# KiCad board XMS0004.kicad_pcb (continued)
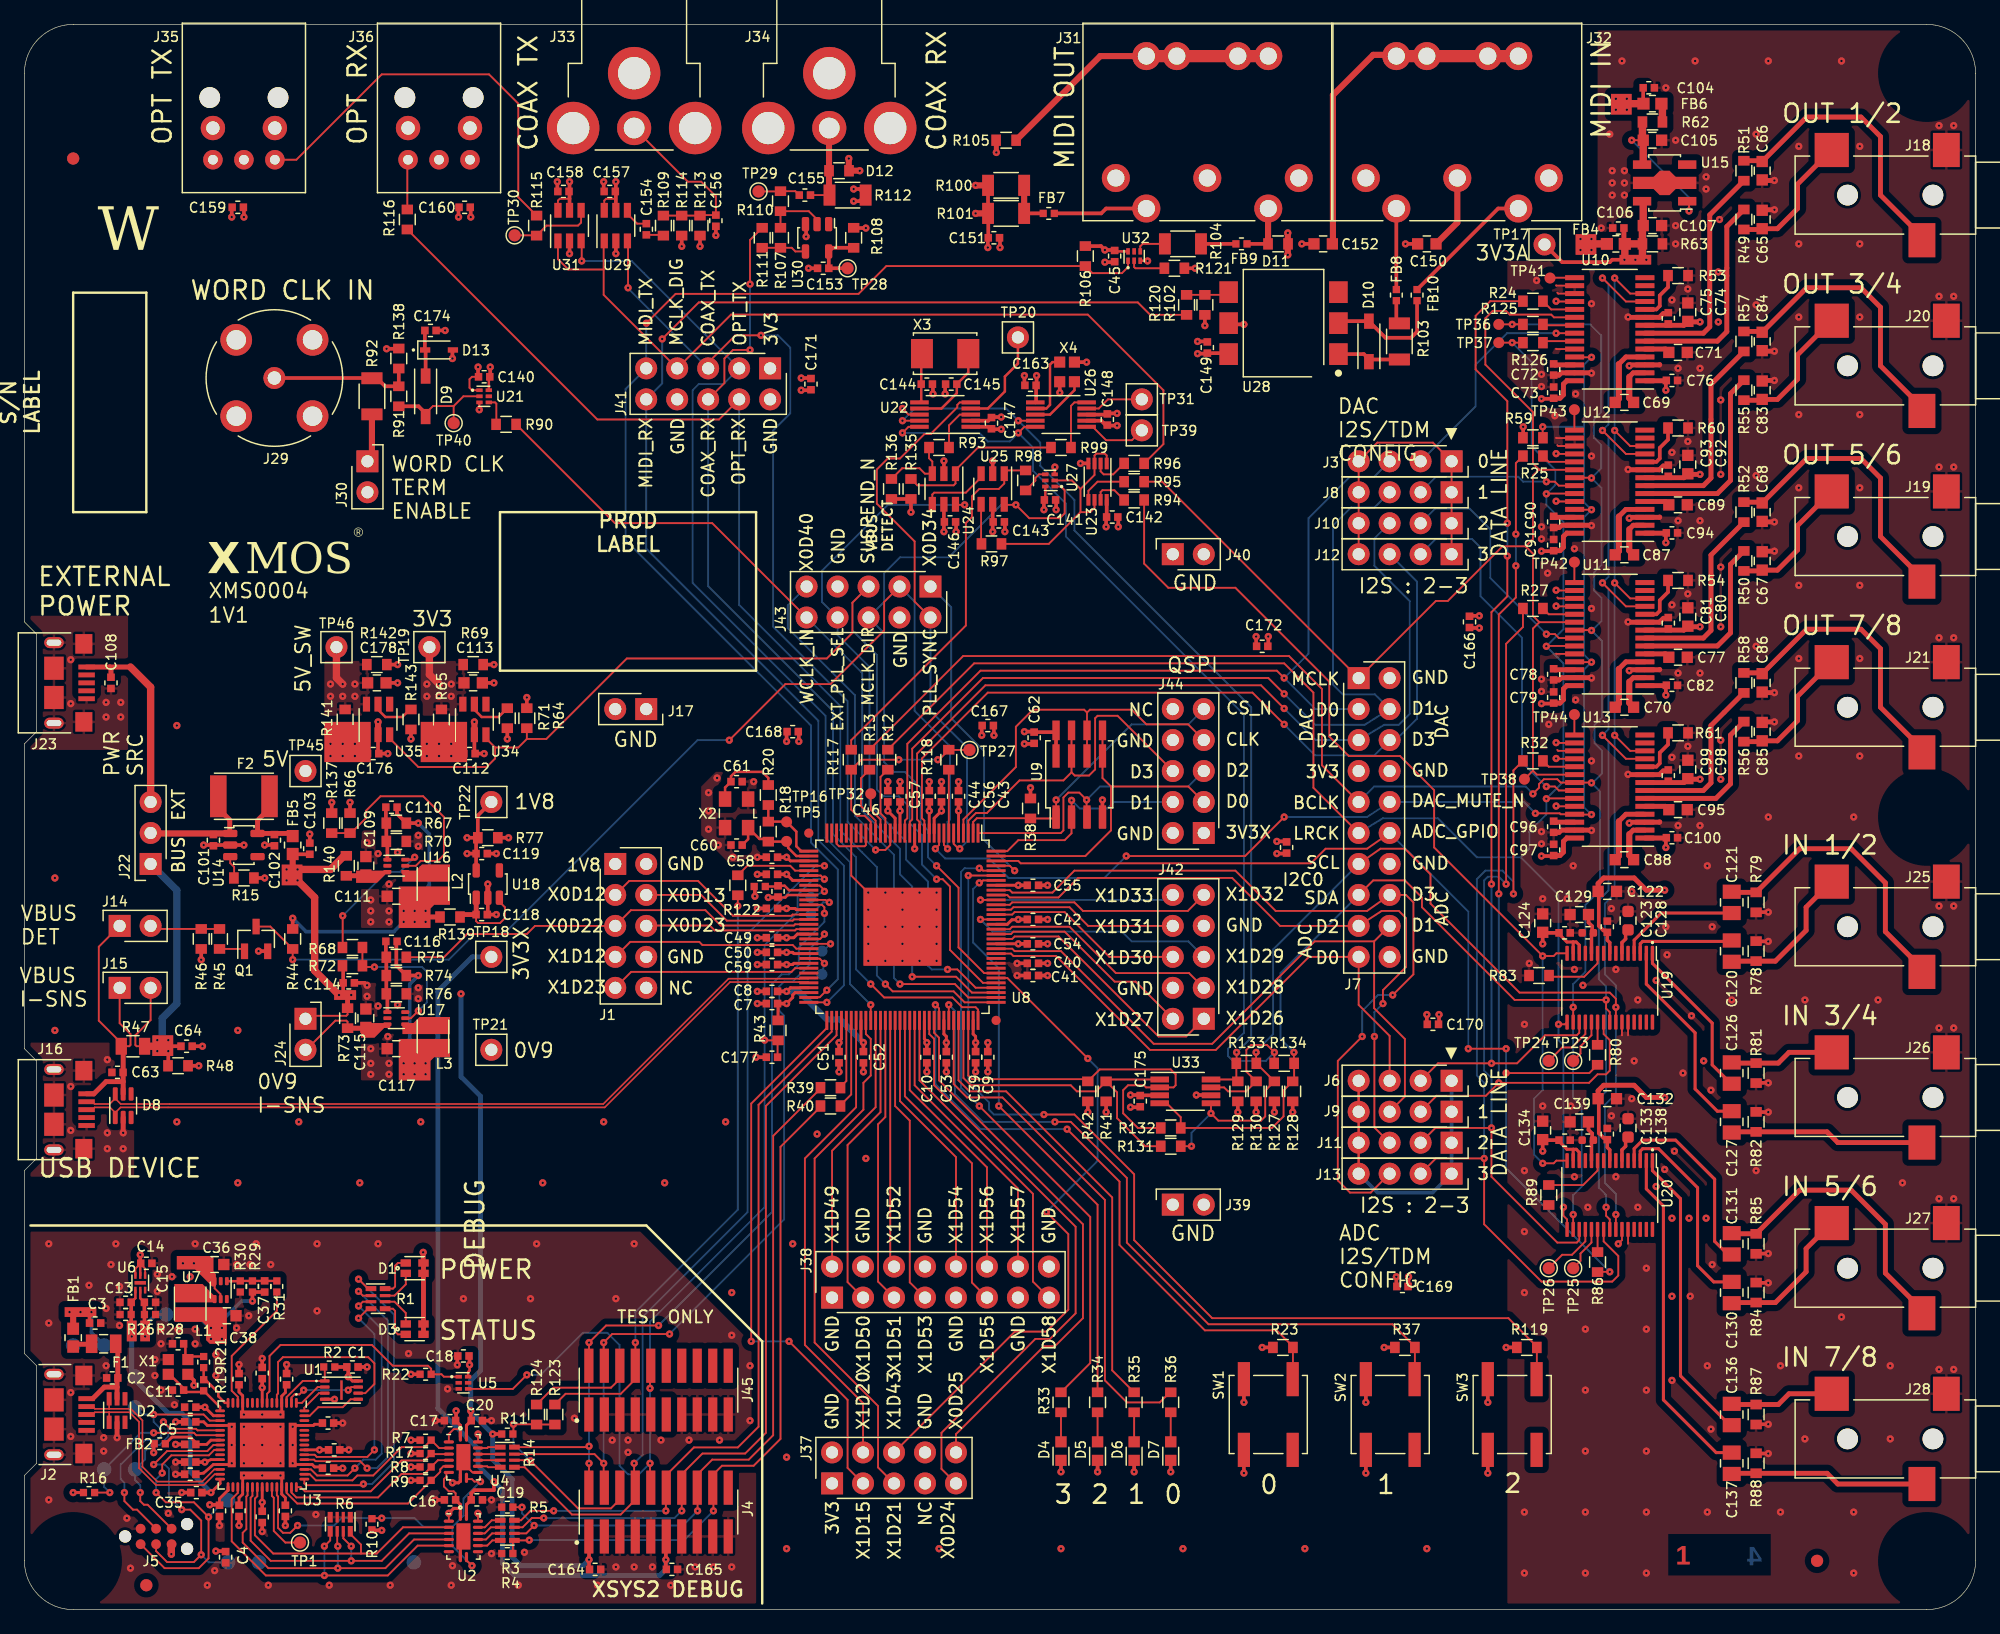
[diagram p0: board, top side]
## Routing (per net, layer and track width the routed paths; a pad name or vN(x,y) marks a point on that pad's centre or on a via; arc(x,y) is an arc through that point) (continued)
1V8: length 78.6
  Layer 1 (Top) w0.2: 36.6,15.54 C20.1
  Layer 1 (Top) w0.24: C7.1 61.8,49.66 R43.2 ; v1(62.5,61.7) 62.52,61.7 62.82,61.4 U8.35 ; v1(62.5,49.7) 63,50.2 63,50.4 63.2,50.6 U8.62 ; v1(62.5,52.9) 63,52.9 63.1,53 U8.56
  Layer 1 (Top) w0.25: C20.1 36.25,15.11 U4.16
  Layer 1 (Top) w0.3: R77.2 v1(36.3,63.3) ; R77.2 37.04,63.16 C119.1 ; R77.2 37.18,65.12 TP22.1 ; C58.1 v1(62.5,61.7) ; C59.1 v1(62.5,52.9) ; C119.1 37.04,60.63 ; C119.1 v1(36.3,62) ; J4.1 46.3,5.99 v1(46.3,4.1) 46.3,3.34 C164.1 ; 36.6,15.54 v1(36.6,16.3) ; C7.1 v1(62.5,49.7) ; v1(38.4,14.4) R11.2
  Layer 1 (Top) w0.4: 37.04,60.63 U18.5
  Layer 4 (Bottom) w0.4: v1(46.3,4.1) 45.8,3.6 40.7,3.6 40,4.3 40,10.7 38.4,12.3 v1(38.4,14.4) 36.6,16.2 v1(36.6,16.3) 36.6,18.8 37.4,19.6 37.4,42.1 35.8,43.7 v1(35.8,50.5)
1V8_DBG: length 40.6
  Layer 1 (Top) w0.15: U2.2 34.8,7.91 ; U4.2 34.8,14.41 35.2,14.8 35.75,14.8 ; U2.15 37.19,7.91 ; C16.1 35.36,9.54 35.2,9.7 34.8,9.7 34.4,10.1 34.4,10.7 34.6,10.9 34.6,11.2 34.65,11.25 U4.7 ; U4.15 37.2,13.76 v1(37.2,14.4)
  Layer 1 (Top) w0.2: U5.6 36.38,19.48 36.5,19.6 v1(36.5,20.07) ; U6.2 9.5,25.54 C15.1
  Layer 1 (Top) w0.23: 16,8.6 16,9.1 16.7,9.8 U3.31 ; U3.8 v1(19.5,18.2) ; v1(14.8,12.1) 15.3,12.3 U3.26 ; U3.17 15.5,15.9 v1(14.8,16.6) ; U3.52 v1(24.2,13.1) ; v1(19.5,8.8) U3.38
  Layer 1 (Top) w0.25: U1.8 26.9,18.75 v1(26.55,19.1) ; U2.1 35.75,8.3 ; 35.75,8.3 35.75,8.61 C16.1 35.4,9.04 ; 35.75,8.3 35.2,8.3 34.8,7.91 ; 35.4,15.54 C17.1 35.75,15.11 U4.1 ; v1(4,9.6) R16.2
  Layer 1 (Top) w0.27: C1.1 26.55,19.79
  Layer 1 (Top) w0.3: C4.1 16.46,4.8 v1(15.7,4.8) ; C31.1 v1(14.8,16.6) ; v1(15.2,8.6) 16,8.6 ; v1(26.55,19.1) 26.55,19.79 ; v1(31.7,13.9) R7.2 ; C18.1 36.5,20.76 v1(36.5,20.08) ; v1(9.9,23.3) 9.84,23.36 R28.2 9.84,24.21 C15.1 9.8,25.16 ; C33.1 v1(19.5,8.8) ; v1(31.7,11.7) R8.2 ; v1(29.3,6.5) 28.54,6.5 R10.2 ; v1(24.2,13.1) C30.1 ; v1(31.7,19.3) R22.2 ; C34.1 v1(14.8,12.1) ; 35.4,15.54 v1(35.4,16.3) ; v1(31.7,10.6) R9.2 ; v1(19.5,18.2) C29.1 ; R2.2 C1.1
  Layer 1 (Top) w0.6: v1(12.05,4.55) 12.05,5.35 J5.5
  Layer 4 (Bottom) w0.3: v1(9.9,23.3) 10.8,24.2 TP11.1
  vias: v1(9.9,22.4) v1(34.8,7.9) v1(37.19,7.9)
3V3: length 107.4
  Layer 1 (Top) w0.15: v1(125.6,90.9) 125.63,90.88 U12.24 ; v1(125.6,94.8) 125.63,94.78 U12.18 ; U11.18 125.63,82.28 v1(125.6,82.3) ; v1(125.6,107.3) 125.63,107.28 U10.18 ; U29.6 47.55,115.55 47.7,115.7 48.5,115.7 ; v1(125.6,69.8) 125.63,69.78 U13.18 ; U20.25 131,30.3 v1(130.7,30) ; U13.16 125.63,71.08 v1(125.6,71.1) ; U11.16 125.63,83.58 v1(125.6,83.6) ; v1(125.6,65.9) 125.63,65.88 U13.24 ; 44.7,115.7 43.9,115.7 43.75,115.55 U31.6
  Layer 1 (Top) w0.2: 38.16,101.2 38.09,101.13 U21.6 ; U27.6 83.72,91.08 C141.1 83.6,90.96 ; U32.6 89.38,111.39 89.3,111.46 ; C140.1 38.2,101.14
  Layer 1 (Top) w0.25: 127,54.75 127.25,54.75 127.5,54.5 U19.13 ; 127,54.75 126.49,54.75 125.74,55.5 ; 127,54.75 U19.14 ; 127,37.75 127.25,37.75 127.5,37.5 U20.13 ; 127,37.75 126.49,37.75 125.74,38.5 125.74,38.32 ; 127,37.75 U20.14
  Layer 1 (Top) w0.3: U33.3 91.49,42.18 91.46,42.2 v1(90.7,42.2) ; U22.1 79.06,97 79.26,96.8 C147.1 79.34,96.8 v1(80.1,96.8) ; 79.4,89.22 U25.5 79.4,90.94 ; v1(101.5,21.5) R23.2 ; v1(102.7,63) 103.46,63 ; v1(124.4,99.3) 125.36,99.3 C73.1 ; 38.2,101.14 v1(38.2,101.9) ; 126.48,63.28 U13.28 ; v1(83.6,90.2) 83.6,90.96 ; 126.48,100.78 U10.28 ; 125.74,38.5 124.55,38.5 C134.1 v1(124.5,37.6) ; v1(79,111.7) 79,112.46 ; v1(102.5,40.8) R127.2 ; U23.8 88.75,89.61 C142.1 88.7,89.56 v1(88.7,88.8) ; 102,79.04 v1(102,79.8) ; C151.1 79.04,114.48 R101.2 R100.2 ; U26.7 88.3,97.5 88.66,97.14 C148.1 88.84,97.1 v1(89.6,97.1) ; 118.54,80.5 v1(119.3,80.5) ; v1(124.4,86.8) 125.36,86.8 C91.1 ; 113.5,26.54 v1(113.5,27.3) ; v1(83,101.2) 83,100.44 C163.1 82.96,99.07 U26.1 ; v1(63.5,71.2) 63.5,71.96 ; R106.2 88.28,111.82 v1(88.6,111.5) 89.36,111.5 ; v1(121.5,21.5) R119.2 ; v1(124.4,61.8) 125.36,61.8 C97.1 ; R108.1 68.02,113.3 v1(69,113.3) ; U31.5 44.7,116.26 C158.1 ; v1(18,114.2) 18,114.96 ; v1(79.4,88.4) 79.4,89.16 C143.1 79.4,89.24 ; R59.2 122.9,96.12 v1(122.9,97) ; 125.74,55.5 124.55,55.5 C124.1 v1(124.5,54.6) ; v1(111.5,21.5) R37.2 ; 75.4,90.94 U24.5 75.4,89.24 C146.1 75.4,89.16 v1(75.4,88.4) ; 126.48,88.28 U12.28 ; C79.1 125.36,74.3 v1(124.4,74.3) ; v1(96.8,105.3) R102.2 ; 44.7,116.34 v1(44.7,117.1) ; v1(104,40.8) R128.2 ; v1(48.5,117.1) U29.5 ; v1(87.2,40.8) R42.2 ; v1(78.5,71.7) 78.5,72.46 ; v1(88.7,40.8) R41.2 ; v1(101,40.8) R130.2 ; v1(63.7,100) 64.46,100 ; v1(36.6,114.2) 36.6,114.96 ; v1(96.2,103) 96.96,103 C149.1 98.67,103.04 U28.6 ; 126.48,75.78 U11.28 ; 116,48.04 v1(116,48.8) ; v1(99.5,40.8) R129.2
  Layer 1 (Top) w0.4: 126.48,75.78 126.2,75.5 126.2,74.62 125.92,74.34 C79.1 ; C91.1 125.92,86.84 126.2,87.12 126.2,88 126.48,88.28 ; 126.48,63.28 126.2,63 126.2,62.12 125.92,61.84 C97.1 ; 126.48,100.78 126.2,100.5 126.2,99.62 125.92,99.34 C73.1
  Layer 1 (Top) w0.5: v1(78,116.8) R100.2 ; R65.2 34.23,73.85 ; v1(78,114.5) R101.2
  Layer 1 (Top) w0.6: 128.2,112 FB4.2 ; v1(34,75.9) 33.21,76.69 TP19.1
  vias: v1(33,75.9) v1(33,74.9) v1(34,74.9) v1(35,75.9) v1(35,74.9) v1(127.6,112.4) v1(127.6,111.5) v1(128.5,112.4) v1(128.5,111.5)
3V3_DBG: length 27.8
  Layer 1 (Top) w0.2: U6.1 9.1,25.54 C13.1
  Layer 1 (Top) w0.23: U3.30 16.05,10.35 v1(15.3,9.6)
  Layer 1 (Top) w0.3: 8.8,25.16 C13.1 8.76,24.21 R26.2 8.75,23.35 v1(8.8,23.3) ; C35.1 v1(15.3,9.6)
  Layer 1 (Top) w0.4: D3.1 D3.2 D1.1 D1.2 32.7,28.45 v1(32.7,29.3)
  Layer 4 (Bottom) w0.3: 8.8,19.4 TP9.1
  Layer 4 (Bottom) w0.4: v1(15.3,9.6) 13.6,11.3 13.6,15.4 12.9,16.1 11.8,16.1 9.08,18.82 ; 8.8,19.4 v1(8.8,22.4)
3V3A: length 68.9
  Layer 1 (Top) w0.28: U20.8 130,37.7 129.8,37.9 129.8,38.6 ; U19.8 130,54.7 129.8,54.9 C123.1 129.8,55.6
  Layer 1 (Top) w0.3: 134.52,63.28 134.54,63.3 ; 129.1,41.7 129.1,39.08 129.48,38.7 129.65,38.7 129.77,38.57 ; v1(134.6,62.5) 134.6,63.26 134.62,63.28 ; 134.62,100.78 134.6,100.76 v1(134.6,100) ; 129.1,58.7 129.1,56.08 129.48,55.7 129.65,55.7 129.77,55.57 ; 134.52,100.78 134.54,100.8 ; 134.52,75.78 134.54,75.8 ; TP17.1 126.1,110.5 130,110.5 130.2,110.7 v1(131.2,110.7) ; 134.62,88.28 134.6,88.26 v1(134.6,87.5) ; 134.52,88.28 134.54,88.3 ; v1(134.6,75) 134.6,75.76 134.62,75.78
  Layer 1 (Top) w0.4: v1(134.5,59) 133,59 132,60 129.5,60 129.05,59.55 C122.1 ; C132.1 129.05,42.55 129.5,43 132,43 133,42 v1(134.5,42) ; v1(137.4,93.1) 136.45,93.1 C92.1 136.08,92.83 U12.8 ; U10.1 134.52,100.78 ; C106.1 131.16,112.08 FB4.1 ; U13.8 136.08,67.83 C98.1 136.45,68.1 v1(137.4,68.1) ; U11.1 134.52,75.78 ; U13.1 134.52,63.28 ; U10.8 136.08,105.33 C74.1 136.45,105.6 v1(137.4,105.6) ; v1(137.4,80.6) 136.45,80.6 C80.1 136.08,80.33 U11.8 ; U12.1 134.52,88.28
  Layer 1 (Top) w0.6: R63.2 132.68,113.44 C107.1 132.75,115.4 132.85,115.5 ; R63.2 132.68,110.78 132.6,110.7 ; R63.2 FB4.1 131.24,110.74 v1(131.2,110.7)
  vias: v1(132.1,110.7) v1(133,110.7)
3V3X: length 132.1
  Layer 1 (Top) w0.2: 36.6,9.04 C19.1
  Layer 1 (Top) w0.24: v1(75.2,65.5) 74.6,64.9 U8.10 ; U8.109 v1(81.5,54.6) ; U8.72 68.6,46.7 v1(68.8,46.5) ; U8.17 v1(71.8,65.5) ; U8.61 62.82,51 62.52,50.7 v1(62.5,50.7) ; U8.121 81.47,59.4 ; 84.45,71.96 U9.8 ; U8.89 75.4,47.2 75.6,47 v1(75.6,46.5)
  Layer 1 (Top) w0.25: C19.1 36.25,8.61 U2.16
  Layer 1 (Top) w0.3: C165.1 52.6,3.34 v1(52.6,4.1) 52.6,5.97 J4.11 ; R44.2 v1(22,56.7) ; v1(71.8,65.5) C57.1 ; v1(82,72) 82.76,72 ; v1(32.3,64.5) R67.2 30.56,65.26 C110.1 ; C19.1 36.64,9.54 36.9,9.8 38.5,9.8 v1(38.5,10.5) ; C8.1 v1(62.5,50.7) ; v1(75.2,65.5) C56.1 ; R38.2 v1(82.5,67.4) ; C62.1 84.45,71.96 ; C52.1 v1(68.8,46.5) ; v1(81.5,54.6) C54.1 ; C53.1 v1(75.6,46.5) ; U9#2.8 U9.8 ; v1(81.5,59.4) C55.1
  Layer 1 (Top) w0.4: 32.8,56.8 R139.1
  Layer 4 (Bottom) w0.3: v1(31.1,56.4) 30.3,55.6 23.1,55.6 v1(22,56.7) ; v1(32.3,64.5) 33.2,63.6 33.2,59.4 v1(31.1,57.3)
  Layer 4 (Bottom) w0.4: TP18.1 36.73,53.53 33.9,50.7 33.9,16.5 37.2,13.2 37.2,11.8 v1(38.5,10.5) 39.2,9.8 39.2,3.8 40.2,2.8 52.1,2.8 52.6,3.3 v1(52.6,4.1)
  Layer 4 (Bottom) w0.5: v1(62.5,50.7) 63.5,50.7 65.8,48.4 66.9,48.4 v1(68.8,46.5)
  vias: v1(32,57.3) v1(32,56.4) v1(32.9,57.3) v1(32.9,56.4) v1(33,71) v1(33,70) v1(34,71) v1(34,70) v1(35,71) v1(35,70)
5V: length 27.4
  Layer 1 (Top) w0.15: R73.1 26.5,48.8 26.4,48.7 23.3,48.7 J24.1
  Layer 1 (Top) w0.3: FB5.2 22.03,61.94 C103.1 ; R66.2 v1(26.7,66.2) ; 26.18,52.8 26.14,52.76 C114.1 26.14,50.54 26.1,50.5 26.7,50.5 v1(26.8,50.4)
  Layer 1 (Top) w0.4: R73.1 26.5,50.3
  Layer 1 (Top) w0.5: 22,60.3 FB5.2
  Layer 1 (Top) w0.6: v1(25.8,50.4) 23.8,52.4 23.8,58.4 v1(22.4,59.8) ; v1(22.4,60.7) 25.1,60.7 26.22,61.82 R140.2
  vias: v1(21.5,60.7) v1(21.5,59.8) v1(25.1,71) v1(25.1,70) v1(26.1,71) v1(26.1,70) v1(27.1,71) v1(27.1,70)
5V_DBG: length 11.4
  Layer 1 (Top) w0.15: U7.3 15.6,26.35 16.08,25.88 16.08,25.49 U7.5 ; 9.5,28.36 9.9,27.96 U6.4 ; 9.5,28.36 C14.1 ; 9.5,28.36 9.1,27.96 U6.6
  Layer 1 (Top) w0.2: U6.5 9.5,28.36
  Layer 1 (Top) w0.3: 5.34,23.4 C3.1 5.34,24.16 5.1,24.4 ; v1(9.5,29.1) 9.5,28.44 9.46,28.4 9.5,28.36
  Layer 1 (Top) w0.5: 4.1,24.4 4,24.3 FB1.2
  Layer 4 (Bottom) w0.3: v1(5.5,24.4) 5.5,22.7 TP10.1
  vias: v1(3.7,24.4) v1(4.6,24.4) v1(13,28.4) v1(13.9,28.4)
5V_SW: length 6.1
  Layer 1 (Top) w0.3: FB6.1 132.74,123.53 C104.1
  Layer 1 (Top) w0.5: R141.2 26.33,73.85
  Layer 1 (Top) w0.6: TP46.1 25.59,76.41 v1(26.1,75.9) ; 131.3,123.5 FB6.1
  vias: v1(25.1,75.9) v1(25.1,74.9) v1(26.1,74.9) v1(27.1,75.9) v1(27.1,74.9) v1(130.5,123.9) v1(130.5,123) v1(131.4,123.9) v1(131.4,123)
GND: length 231.5
  Layer 1 (Top) w0.15: 125.7,95.5 125.78,95.43 U12.17 ; U21.1 36.7,100 36.5,100.2 36.5,100.9 36.7,101.1 C140.2 ; 125.6,103.4 125.63,103.38 U10.24 ; 67.8,62.6 67.8,60.2 v1(69.2,58.8) ; 67.85,62.6 68.9,62.6 69,62.7 U8.24 ; 67.85,62.6 66.8,62.6 66.6,62.8 U8.30 ; 67.85,62.6 67.8,62.65 U8.27 ; 125.7,70.5 125.78,70.43 U13.17 ; 131.5,30 U20.26 ; v1(72,98.5) 72.5,98 U22.8 ; U11.17 125.78,82.93 125.7,83 ; U10.16 125.63,108.58 125.6,108.6 ; 36,12 36.75,11.25 U4.10 ; U12.16 125.63,96.08 125.6,96.1 ; U10.17 125.78,107.93 125.7,108 ; 131,47.1 U19.25 ; 131.5,47.1 U19.26 ; U11.24 125.63,78.38 125.6,78.4
  Layer 1 (Top) w0.2: U8.42 62.6,58.6 62.4,58.4 61.84,58.4 C6.2 ; U32.3 92.09,110.62 v1(92.1,110.6) ; 34.4,15.54 C17.2 ; v1(84.5,93.7) 84.49,93.69 U27.3 ; v1(37.3,98.4) 37.3,98.99 U21.3 ; 34.4,9.04 C16.2
  Layer 1 (Top) w0.25: C123.2 129.81,56.46 ; v1(35.1,10.4) 35.6,10.4 35.75,10.55 U4.8 35.75,12.5 ; U2.17 35.75,6 U2.8 35.75,4.05 ; U1.4 v1(25.42,17.25) ; C133.2 129.81,39.46
  Layer 1 (Top) w0.3: C146.2 76.4,89.16 v1(76.4,88.4) ; 82.1,100.34 C163.2 82,100.44 v1(82,101.2) ; 79.4,92.87 v1(79.4,94.2) ; v1(104.75,112) C152.2 ; 38.72,63.3 v1(39.7,63.3) ; D13.2 35.1,103.26 v1(35.1,102.6) ; 34.4,9.04 34.36,9 v1(33.7,9) ; v1(100,17) SW1.2A ; U18.2 38,57.04 C118.2 v1(38.7,57) ; C55.2 v1(83.9,59.4) ; U30.3 64.1,113.57 v1(64.1,112.6) ; v1(19.2,54) 19.94,54 Q1.2 ; C46.2 v1(70.8,67.9) ; v1(113.25,112) C150.2 ; v1(91,11.3) D6.1 ; v1(17,114.2) 17,114.96 ; v1(68,116.5) 68.48,116.5 R112.1 68.48,115.5 v1(68,115.5) ; C6.2 61.76,58.4 61,58.4 v1(61,58.4) ; C20.2 37.6,15.54 37.64,15.5 v1(38.3,15.5) ; 34.4,15.54 34.36,15.5 v1(33.7,15.5) ; v1(60.1,50.7) C8.2 ; 75.4,92.87 v1(75.4,94.2) ; 130.2,113.34 C106.2 ; v1(84.9,99.8) 84.9,100.69 X4.2 ; v1(62.5,71.2) 62.5,71.96 ; v1(120,11.2) SW3.2B ; v1(16,6.9) 16,7.56 15.96,7.6 C32.2 ; 132.83,102.08 132.86,102.05 U10.3 ; v1(35.6,114.2) 35.6,114.96 ; v1(12.4,12.1) C34.2 ; v1(87.1,102.3) 86.11,102.3 X4.4 ; v1(31.7,71.4) 31.7,72.28 ; C18.2 35.5,20.76 v1(35.5,20.08) ; v1(14.7,62.7) U14.2 v1(18,62.7) ; C174.2 v1(34.5,104.9) ; 37.64,9 37.6,9.04 C19.2 ; C43.2 v1(76.6,67.9) ; 132.83,77.08 132.86,77.05 U11.3 ; C29.2 v1(19.5,20.6) ; v1(53.9,111.8) R114.1 ; v1(12.9,9.6) 13.56,9.6 13.6,9.56 C35.2 ; v1(143,29.2) 142.02,29.2 R85.1 ; 16.1,28.05 C36.2 ; v1(60.1,61.7) C58.2 ; v1(89.7,88.8) 89.7,89.56 C142.2 ; v1(13.9,18.4) 13.9,18.8 X1.2 ; v1(60.1,53.9) C50.2 ; U34.2 36.9,70.26 C112.2 v1(37.7,70.2) ; v1(143,43.2) 142.02,43.2 R81.1 ; R79.1 142.02,57.2 v1(143,57.2) ; v1(31.7,12.8) R17.1 ; C1.2 27.3,19.96 27.34,20 27.44,19.9 v1(28.1,19.9) ; v1(94,11.3) D7.1 ; v1(79,44.1) C9.2 ; 118.54,81.5 v1(119.3,81.5) ; v1(100,11.2) SW1.2B ; v1(60.1,52.9) C59.2 ; C103.2 v1(23.4,63.6) ; C44.2 v1(74.2,67.9) ; v1(102.7,62) 103.46,62 ; C149.2 96.96,104 v1(96.2,104) ; R138.1 30.68,103.4 v1(29.7,103.4) ; v1(143,15.2) 142.02,15.2 R87.1 ; v1(63.7,101) 64.46,101 ; v1(90.7,41.2) 91.46,41.2 ; v1(78,44.1) C39.2 ; C178.2 v1(30.6,76) ; v1(68.8,44.1) C52.2 ; 142.02,40.8 v1(143,40.8) ; C114.2 27.9,51.4 v1(28.1,51.2) ; R69.1 v1(38.5,77.5) ; C144.2 74.5,100.46 v1(74.5,99.7) ; 47.5,116.34 v1(47.5,117.1) ; U22.2 79.04,97.5 C147.2 79.34,97.8 v1(80.1,97.8) ; v1(88.6,110.5) 89.36,110.5 ; 43.7,116.34 v1(43.7,117.1) ; v1(19.5,6.4) C33.2 ; 115,48.04 v1(115,48.8) ; R48.1 v1(14.3,44.6) ; C141.2 84.6,90.96 v1(84.6,90.2) ; v1(88.4,66.4) 88.4,64.9 U9.4 ; v1(100,105.4) 98.85,105.4 U28.5 ; v1(14.5,53.3) R46.1 ; v1(44.7,111.2) 44.7,112.54 ; v1(19.7,62.7) 20.44,62.7 C102.2 ; 142.02,26.8 v1(143,26.8) ; v1(80,111.7) 80,112.46 ; C26.2 v1(26.1,15.3) ; v1(55.4,111.8) R113.1 ; 112.5,26.54 v1(112.5,27.3) ; R142.1 v1(30.6,77.5) ; v1(56.7,112.7) C156.2 ; v1(80.4,88.4) 80.4,89.16 C143.2 ; 142.02,54.8 v1(143,54.8) ; R64.1 v1(41.2,74.8) ; v1(60.1,55.1) C49.2 ; v1(79.5,71.7) 79.5,72.46 ; v1(12.4,15.4) C27.2 ; U33.6 97.28,42.2 v1(96.1,42.2) ; v1(82,71) 82.76,71 ; v1(120,17) SW3.2A ; U35.2 29,70.26 C176.2 v1(29.8,70.2) ; v1(21.4,6.9) C28.2 ; C145.2 75.5,100.46 v1(75.5,99.7) ; v1(60.1,57.5) C48.2 ; v1(17.6,6.9) C25.2 ; R15.1 v1(19.7,60) ; v1(48.5,111.2) 48.5,112.54 ; 39,8.4 R5.1 ; v1(12.4,11.1) C21.2 ; v1(66.8,44.1) C51.2 ; v1(85,11.3) D4.1 ; v1(12.4,13.55) C5.2 ; v1(39.6,71.4) R71.1 ; v1(60.1,49.7) C7.2 ; 37.2,101.14 v1(37.2,101.9) ; v1(110,17) SW2.2A ; v1(64.3,110) C153.2 ; v1(86.6,94) 87.24,94 U23.4 ; C119.2 v1(38.7,62) ; C54.2 v1(83.9,54.6) ; C42.2 v1(83.9,56.6) ; 101,79.04 v1(101,79.8) ; v1(75.6,44.1) C53.2 ; R121.1 v1(96,110) ; C22.2 v1(21.5,20.1) ; C113.2 v1(38.5,76) ; C24.2 v1(17.6,20.1) ; v1(74,44.1) C10.2 ; R137.1 v1(25.2,66.2) ; v1(60.1,60.3) C47.2 ; C40.2 v1(83.9,53) ; U12.3 132.86,89.55 132.83,89.58 ; v1(88,11.3) D5.1 ; C57.2 v1(71.8,67.9) ; 132.83,64.58 132.86,64.55 U13.3 ; C41.2 v1(83.9,52) ; v1(72.7,90) R135.1 R136.1 ; v1(110,11.2) SW2.2B ; C23.2 v1(26.1,11.6) ; C64.2 v1(14.6,46.2) ; v1(89.6,98.1) 88.84,98.1 C148.2 88.74,98 U26.8 ; v1(60,45.3) C177.2 ; C30.2 v1(26.6,13.1) ; C56.2 v1(75.2,67.9) ; 142.02,12.8 v1(143,12.8)
  Layer 1 (Top) w0.4: 134.1,77.1 134.08,77.08 U11.3 ; v1(131.6,89.5) 131.68,89.58 132.83,89.58 ; 128.4,101.4 128.38,101.43 U10.27 126.03,101.43 125.84,101.24 C72.2 ; v1(79.7,119.5) 79.7,120.46 79.75,120.5 ; C86.2 142.55,75.2 v1(143.5,75.2) ; 128.4,63.9 128.38,63.93 U13.27 126.03,63.93 125.84,63.74 C96.2 ; 134.1,89.6 134.08,89.58 U12.3 ; v1(143.5,89.2) 142.55,89.2 C68.2 ; v1(143.5,117.2) 142.55,117.2 C66.2 ; v1(143.5,100.8) 142.55,100.8 C83.2 ; 132.83,64.58 131.68,64.58 v1(131.6,64.5) ; v1(143.5,114.8) 142.55,114.8 C65.2 ; v1(131.5,68.5) 131.53,68.48 U13.9 134.08,68.48 134.4,68.8 ; U13.3 134.08,64.58 134.1,64.6 ; v1(7.6,14.1) D2.2 ; v1(8.1,39.1) D8.2 ; C85.2 142.55,72.8 v1(143.5,72.8) ; C67.2 142.55,86.8 v1(143.5,86.8) ; 134.4,93.8 134.08,93.48 U12.9 131.53,93.48 v1(131.5,93.5) ; 128.4,76.4 128.38,76.43 U11.27 126.03,76.43 125.84,76.24 C78.2 ; U10.3 134.08,102.08 134.1,102.1 ; v1(131.5,81) 131.53,80.98 U11.9 134.08,80.98 134.4,81.3 ; U18.2 v1(38,59.5) ; 132.83,77.08 131.68,77.08 v1(131.6,77) ; C84.2 142.55,103.2 v1(143.5,103.2) ; C90.2 125.84,88.74 126.03,88.93 U12.27 128.38,88.93 128.4,88.9 ; 134.4,106.3 134.08,105.98 U10.9 131.53,105.98 v1(131.5,106) ; 132.83,102.08 131.68,102.08 v1(131.6,102)
  Layer 1 (Top) w0.5: v1(68.5,118) D12.1 67.6,118.02 v1(67.6,119) ; U35.2 v1(29,72.8) ; D11.1 103.6,112.02 v1(103.6,112.9) ; v1(103.6,111.1) 103.6,111.98 ; U34.2 v1(36.9,72.8)
  Layer 4 (Bottom) w0.3: 69.18,53.18 v1(69.2,53.2)
  vias: v1(2,30) v1(2,23.5) v1(2,9) v1(2.5,60) v1(2.5,47.5) v1(3.8,77.9) v1(3.8,74.3) v1(3.8,42.9) v1(3.8,39.3) v1(3.8,17.8) v1(3.8,14.2) v1(5.3,26.6) v1(6.5,14.1) v1(6.5,13) v1(6.7,74.4) v1(6.7,73.2) v1(6.7,24.7) v1(6.7,20) v1(6.8,45.1) v1(6.8,39.1) v1(6.8,37.8) v1(7.1,28.3) v1(7.5,30) v1(7.8,26.5) v1(7.8,23.3) v1(7.9,74.4) v1(7.9,73.2) v1(8.1,37.8) v1(8.4,7.5) v1(8.7,3.4) v1(10.7,20.5) v1(10.7,19.2) v1(10.9,27.5) v1(10.9,26.1) v1(11.2,23) v1(11.2,21.8) v1(11.2,18) v1(11.8,7.9) v1(12.1,27.3) v1(12.3,16.8) v1(12.5,72.5) v1(12.5,40) v1(12.6,23) v1(13.6,27.3) v1(14,30) v1(14,23) v1(14,21.8) v1(15,2) v1(15.6,3.2) v1(15.7,20.9) v1(15.7,19.2) v1(17.4,28.3) v1(17.4,23.1) v1(17.5,47.5) v1(17.5,35) v1(18,15) v1(18,13.5) v1(18,12) v1(18.4,24.1) v1(18.5,28.3) v1(19,30) v1(19.5,15) v1(19.5,13.5) v1(19.5,12) v1(20,2) v1(20.2,28.3) v1(21,15) v1(21,13.5) v1(21,12) v1(22.5,40) v1(23.9,7.8) v1(24,30) v1(24,24.5) v1(25,2) v1(27.5,35) v1(28.1,62.9) v1(28.1,50.3) v1(28.4,58.2) v1(28.4,57.3) v1(28.4,56.4) v1(28.4,46) v1(28.4,44.8) v1(28.4,43.9) v1(29,62) v1(29,49.5) v1(29,30) v1(29.8,47) v1(29.9,59.5) v1(29.9,57.3) v1(29.9,56.4) v1(29.9,44.8) v1(29.9,43.9) v1(30,2) v1(30.6,62.1) v1(30.6,49.6) v1(31.5,21) v1(32.3,63.5) v1(32.3,62.6) v1(32.3,51) v1(32.3,50.1) v1(32.5,40) v1(34.7,18.1) v1(35,2) v1(35.1,3.6) v1(36,25.5) v1(38.3,9) v1(38.3,4.6) v1(40.5,2) v1(41,4.7) v1(41.5,25.5) v1(42,30) v1(42.5,35) v1(45.1,15.7) v1(47,2) v1(47.5,40) v1(48.2,13.9) v1(48.5,25.5) v1(48.5,3.5) v1(49.5,13.9) v1(49.5,12.9) v1(50,30) v1(50,3.5) v1(51.5,3.5) v1(52.2,13.9) v1(52.5,35) v1(53,2) v1(54.5,13.9) v1(55,3.5) v1(56.1,67) v1(56.1,65.5) v1(56.1,64) v1(56.5,3.5) v1(56.8,68.2) v1(56.9,62.7) v1(57,13.9) v1(57.5,40) v1(58,26) v1(58,22.5) v1(58,3.5) v1(58.1,61.7) v1(59.5,20) v1(59.5,15.5) v1(59.8,67.9) v1(62.5,12.5) v1(62.5,5) v1(63,30) v1(65,39) v1(69,37) v1(69.2,57.4) v1(69.2,56) v1(69.2,54.6) v1(70.6,58.8) v1(70.6,56) v1(70.6,53.2) v1(72,58.8) v1(72,57.4) v1(72,56) v1(72,54.6) v1(72,53.2) v1(73.4,58.8) v1(73.4,56) v1(73.4,53.2) v1(74.8,58.8) v1(74.8,57.4) v1(74.8,56) v1(74.8,54.6) v1(74.8,53.2) v1(75,5) v1(85,5) v1(95,5) v1(105,5) v1(115,5) v1(123,48) v1(123,36) v1(123,31) v1(123,26) v1(123,8) v1(123,3) v1(123.4,53) v1(124,109) v1(124.4,101.3) v1(124.4,100.3) v1(124.4,88.8) v1(124.4,87.8) v1(124.4,76.3) v1(124.4,75.3) v1(124.4,63.8) v1(124.4,62.8) v1(124.5,58.3) v1(124.5,41.3) v1(124.9,85) v1(125,72.6) v1(125.5,97.9) v1(126.5,58.3) v1(126.8,41.3) v1(127,61) v1(127.1,87) v1(127.1,52.5) v1(127.1,35.5) v1(127.2,99.7) v1(127.2,74.6) v1(127.8,51.2) v1(128,23) v1(128,18) v1(128,13) v1(128,8) v1(128,3) v1(128.2,33) v1(128.5,107.1) v1(128.5,101.4) v1(128.5,94.6) v1(128.5,88.9) v1(128.5,82.1) v1(128.5,76.4) v1(128.5,69.6) v1(128.5,63.9) v1(129.3,113.3) v1(130,121) v1(130.14,57.49) v1(130.14,40.49) v1(130.2,118) v1(130.2,117) v1(130.2,116) v1(130.5,52.5) v1(130.5,35.5) v1(131,127) v1(131.2,118) v1(131.2,117) v1(131.2,116) v1(131.8,58.9) v1(131.8,41.9) v1(132,45) v1(132.3,50) v1(132.3,33) v1(133,28) v1(133,23) v1(133,18) v1(133,13) v1(133,8) v1(133,3) v1(133.8,51.6) v1(133.8,34.7) v1(134.5,36.1) v1(134.6,124.8) v1(134.6,56) v1(134.7,53.7) v1(135.1,107.4) v1(135.1,94.9) v1(135.1,82.4) v1(135.1,69.9) v1(135.1,32.1) v1(135.1,25.7) v1(135.1,18.8) v1(135.3,37.6) v1(135.4,120.5) v1(135.4,113.5) v1(135.4,112) v1(135.6,101.8) v1(135.6,89.3) v1(135.6,76.8) v1(135.6,64.3) v1(136,44) v1(136.4,108.3) v1(136.4,95.8) v1(136.4,83.3) v1(136.4,70.8) v1(136.5,32.1) v1(136.6,25.7) v1(136.7,48.7) v1(137,127) v1(137.4,101.8) v1(137.4,89.3) v1(137.4,76.8) v1(137.4,64.3) v1(137.7,45) v1(137.9,117.5) v1(137.9,116.5) v1(137.9,32.1) v1(138,61) v1(138,20) v1(138,8) v1(138.3,42.6) v1(138.3,14.8) v1(138.4,56) v1(138.4,28.3) v1(138.9,109.7) v1(138.9,105.6) v1(139,114) v1(139.1,99.2) v1(139.1,93.1) v1(139.1,85.5) v1(139.1,80.6) v1(139.1,71.3) v1(139.1,68.1) v1(140,50) v1(142,121) v1(142,107) v1(142,93) v1(142,79) v1(142,36) v1(143,127) v1(143,65) v1(144,20) v1(144,8) v1(145.5,120) v1(145.5,112) v1(145.5,106) v1(145.5,98) v1(145.5,92) v1(145.5,84) v1(145.5,78) v1(145.5,70) v1(146,50) v1(146,14) v1(149,127) v1(149,24) v1(150,65) v1(150,8) v1(150,3) v1(150.5,120) v1(150.5,112) v1(150.5,106) v1(150.5,98) v1(150.5,92) v1(150.5,84) v1(150.5,78) v1(150.5,70) v1(152,50) v1(153,20) v1(153,14) v1(154,35) v1(157,121.7) v1(157,107.7) v1(157,93.7) v1(157,79.7) v1(157,57.7) v1(157,47.7) v1(157,33.7) v1(157,19.7) v1(158.2,121.7) v1(158.2,107.7) v1(158.2,93.7) v1(158.2,79.7) v1(158.2,57.7) v1(158.2,47.7) v1(158.2,33.7) v1(158.2,19.7)
VBUS: length 24.1
  Layer 1 (Top) w0.15: J14.1 6.1,54.36 6.1,48.3 7.9,46.5 ; 8.08,46.2 8.6,46.2 8.7,46.3 8.7,47.2 7.81,48.09 J15.1
  Layer 1 (Top) w0.4: 8.18,46.2 8.1,46.12 8.1,43.3 ; J16.1 5.7,42.3 6.7,43.3 8.1,43.3 ; D8.5 8.1,43.3
VBUS_DETECT: length 93.4
  Layer 1 (Top) w0.15: U8.8 75.4,62.7 v1(75.7,62.4) ; J43.3 70.5,82.64 70.5,80.3 66.1,75.9 62.4,75.9 v1(57.8,71.3) ; v1(22,53.3) R44.1 20.17,56.02 Q1.3 19.2,55.82
  Layer 4 (Bottom) w0.15: v1(75.7,62.4) 75.7,64.6 75.9,64.8 75.9,70.8 73,73.7 73,82.66 J43.3 ; v1(22,53.3) 34.8,53.3 36.9,55.4 39.3,55.4 55.2,71.3 v1(57.8,71.3)
ADC_D0: length 82.8
  Layer 1 (Top) w0.15: U19.18 127.5,47.3 127.3,47.1 124.7,47.1 122.4,44.8 v1(120.3,44.8) 115.92,44.8 J6.2 ; v1(121.6,86.4) 121.6,83.1 120.3,81.8 v1(120.3,59.5) ; v1(121.6,89.1) 121.6,99.1 119,101.7 119,106.1 120.2,107.3 R24.2
  Layer 4 (Bottom) w0.15: v1(121.6,86.4) v1(121.6,89.1) ; v1(120.3,44.8) v1(120.3,59.5)
ADC_D1: length 73.3
  Layer 1 (Top) w0.15: U19.22 129.5,47.2 130,46.7 130,44.2 129.7,43.9 129,43.9 128.3,43.2 v1(120.9,43.2) 119.84,42.14 115.8,42.14 J9.2 ; v1(120.9,58.7) 120.9,81.6 122.3,83 v1(122.3,85.6) ; R25.2 122.3,94.02 v1(122.3,88.2)
  Layer 4 (Bottom) w0.15: v1(122.3,85.6) v1(122.3,88.2) ; v1(120.9,43.2) v1(120.9,58.7)
ADC_D2: length 66.6
  Layer 1 (Top) w0.15: J11.2 115.7,39.5 v1(120.3,39.5) 120.3,35.5 125.7,30.1 127.3,30.1 127.5,30.3 U20.18 ; v1(121.5,59.5) 121.5,79.2 122.88,80.58 R27.2
  Layer 4 (Bottom) w0.15: v1(121.5,59.5) 120.9,60.1 120,60.1 119.7,59.8 119.7,44.2 120.3,43.6 v1(120.3,39.5)
ADC_D3: length 67.6
  Layer 1 (Top) w0.15: U20.22 129.5,30.2 130.7,29 130.7,27.4 130.2,26.9 124.4,26.9 119.7,31.6 v1(119.7,37) 115.74,37 J13.2 ; v1(122.1,58.7) 122.1,68.82 R32.2
  Layer 4 (Bottom) w0.15: v1(119.7,37) 119.7,43.2 119.1,43.8 119.1,59.9 119.8,60.6 121.2,60.6 122.1,59.7 v1(122.1,58.7)
ADC_GPIO: length 87.4
  Layer 1 (Top) w0.15: 129.02,44.7 R80.1 128.32,44 v1(121.5,44) ; R86.1 129.02,27.7 v1(130,27.7) ; U8.126 81.5,61.4 81.7,61.2 105.5,61.2 106.7,62.4 110.1,62.4 J7.12 ; v1(118.4,46) v1(121.5,46)
  Layer 4 (Bottom) w0.15: v1(118.4,46) 118.4,57.24 J7.12 ; v1(121.5,46) v1(121.5,44) 121.5,36.2 v1(130,27.7)
AIN1: length 12
  Layer 1 (Top) w0.4: C120.1 140.06,53.18 R78.2 143.58,53.18 146.1,55.7 146.1,57.6 J25.2
AIN2: length 23.8
  Layer 1 (Top) w0.4: C121.1 140.06,58.82 R79.2 142.07,58.82 142.27,59.02 142.27,59.09 145.58,62.4 149.8,62.4 152.6,59.6 152.6,55.6 155.6,52.6 J25.3
AIN3: length 8.6
  Layer 1 (Top) w0.4: J26.2 144.7,45.7 143.82,44.82 R81.2 140.06,44.82 C126.1
AIN4: length 16
  Layer 1 (Top) w0.4: J26.3 148.7,38.3 147.82,39.18 R82.2 140.06,39.18 C127.1
AIN5: length 12
  Layer 1 (Top) w0.4: J27.2 146.1,29.6 146.1,27.7 143.58,25.18 R84.2 140.06,25.18 C130.1
AIN6: length 23.8
  Layer 1 (Top) w0.4: J27.3 155.6,24.6 152.6,27.6 152.6,31.6 149.8,34.4 145.58,34.4 142.27,31.09 142.27,31.02 142.07,30.82 R85.2 140.06,30.82 C131.1
AIN7: length 8.6
  Layer 1 (Top) w0.4: J28.2 144.7,17.7 143.82,16.82 R87.2 140.06,16.82 C136.1
AIN8: length 16
  Layer 1 (Top) w0.4: J28.3 148.7,10.3 147.82,11.18 R88.2 140.06,11.18 C137.1
AOUT1: length 11.1
  Layer 1 (Top) w0.3: 142.44,113.18 C65.1
  Layer 1 (Top) w0.4: R49.2 142.44,113.18 ; C65.1 143.75,113.25 145.4,114.9 145.4,116.9 J18.2
AOUT2: length 23.3
  Layer 1 (Top) w0.4: R51.2 142.44,118.82 C66.1 146.15,122.4 150.6,122.4 152.2,120.8 152.2,116 155.6,112.6 J18.3
AOUT3: length 11.1
  Layer 1 (Top) w0.3: 142.44,99.18 C83.1
  Layer 1 (Top) w0.4: R55.2 142.44,99.18 ; J20.2 145.4,102.9 145.4,100.9 143.75,99.25 C83.1
AOUT4: length 23.3
  Layer 1 (Top) w0.4: R57.2 142.44,104.82 C84.1 146.15,108.4 150.6,108.4 152.2,106.8 152.2,102 155.6,98.6 J20.3
AOUT5: length 11.1
  Layer 1 (Top) w0.3: 142.44,85.18 C67.1
  Layer 1 (Top) w0.4: C67.1 143.75,85.25 145.4,86.9 145.4,88.9 J19.2 ; R50.2 142.44,85.18
AOUT6: length 23.3
  Layer 1 (Top) w0.4: R52.2 142.44,90.82 C68.1 146.15,94.4 150.6,94.4 152.2,92.8 152.2,88 155.6,84.6 J19.3
AOUT7: length 11.1
  Layer 1 (Top) w0.3: 142.44,71.18 C85.1
  Layer 1 (Top) w0.4: R56.2 142.44,71.18 ; J21.2 145.4,74.9 145.4,72.9 143.75,71.25 C85.1
AOUT8: length 23.3
  Layer 1 (Top) w0.4: J21.3 155.6,70.6 152.2,74 152.2,78.8 150.6,80.4 146.15,80.4 C86.1 142.44,76.82 R58.2
BCLK: length 164.5
  Layer 1 (Top) w0.15: R125.1 v1(122,105.4) TP36.1 ; v1(128.5,67.8) 128.48,67.83 U13.21 125.98,67.83 125.7,68.1 124.6,68.1 124.2,67.7 124.2,67.4 v1(123.7,66.9) ; U11.21 128.48,80.33 v1(128.5,80.3) ; J7.9 106.4,69.24 106.4,75.5 103.7,78.2 76.98,78.2 R13.2 ; U20.17 v1(127,32.4) ; U19.17 v1(127,49.4) ; U12.21 128.48,92.83 v1(128.5,92.8)